# Altium PCB Mynd_Main.PcbDoc (part 1 of 5)
Units mm, origin at the board's own origin, x right, y up, seen from the top; angles counter-clockwise.
Board outline 75 x 136 mm, 4 copper layers (Component Side, Mid Layer 1, Mid Layer 2, Solder Side), stack 1.58 mm thick; 561 components, 261 nets, 1529 pads, 1417 vias.
Unrouted connection lines stored in the file: 7.
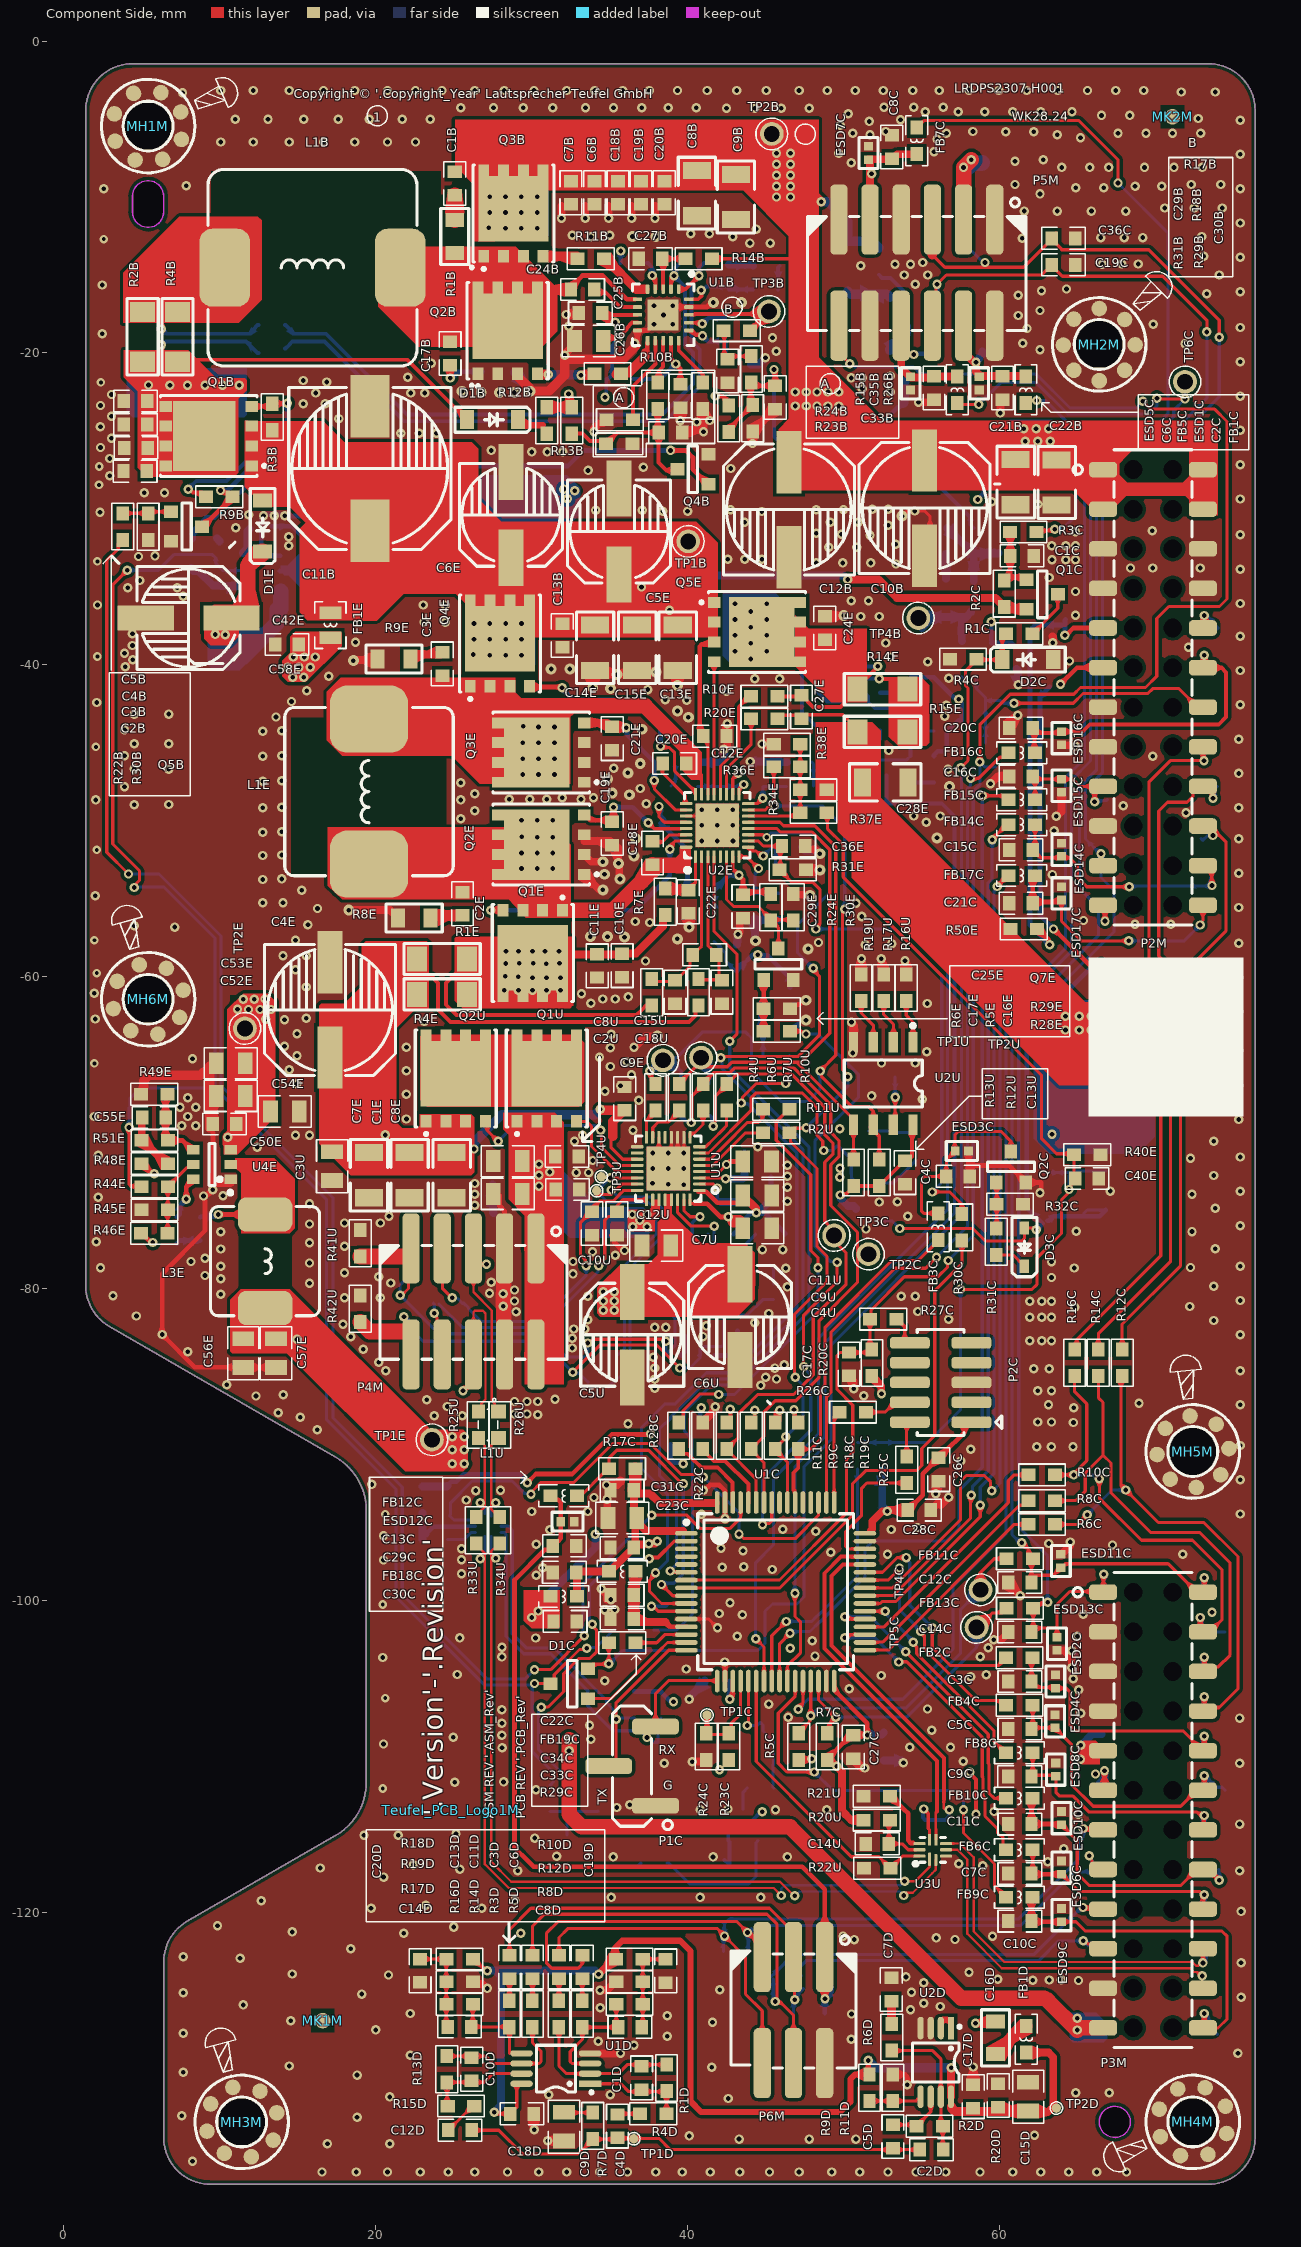
[diagram p0: Component Side view]
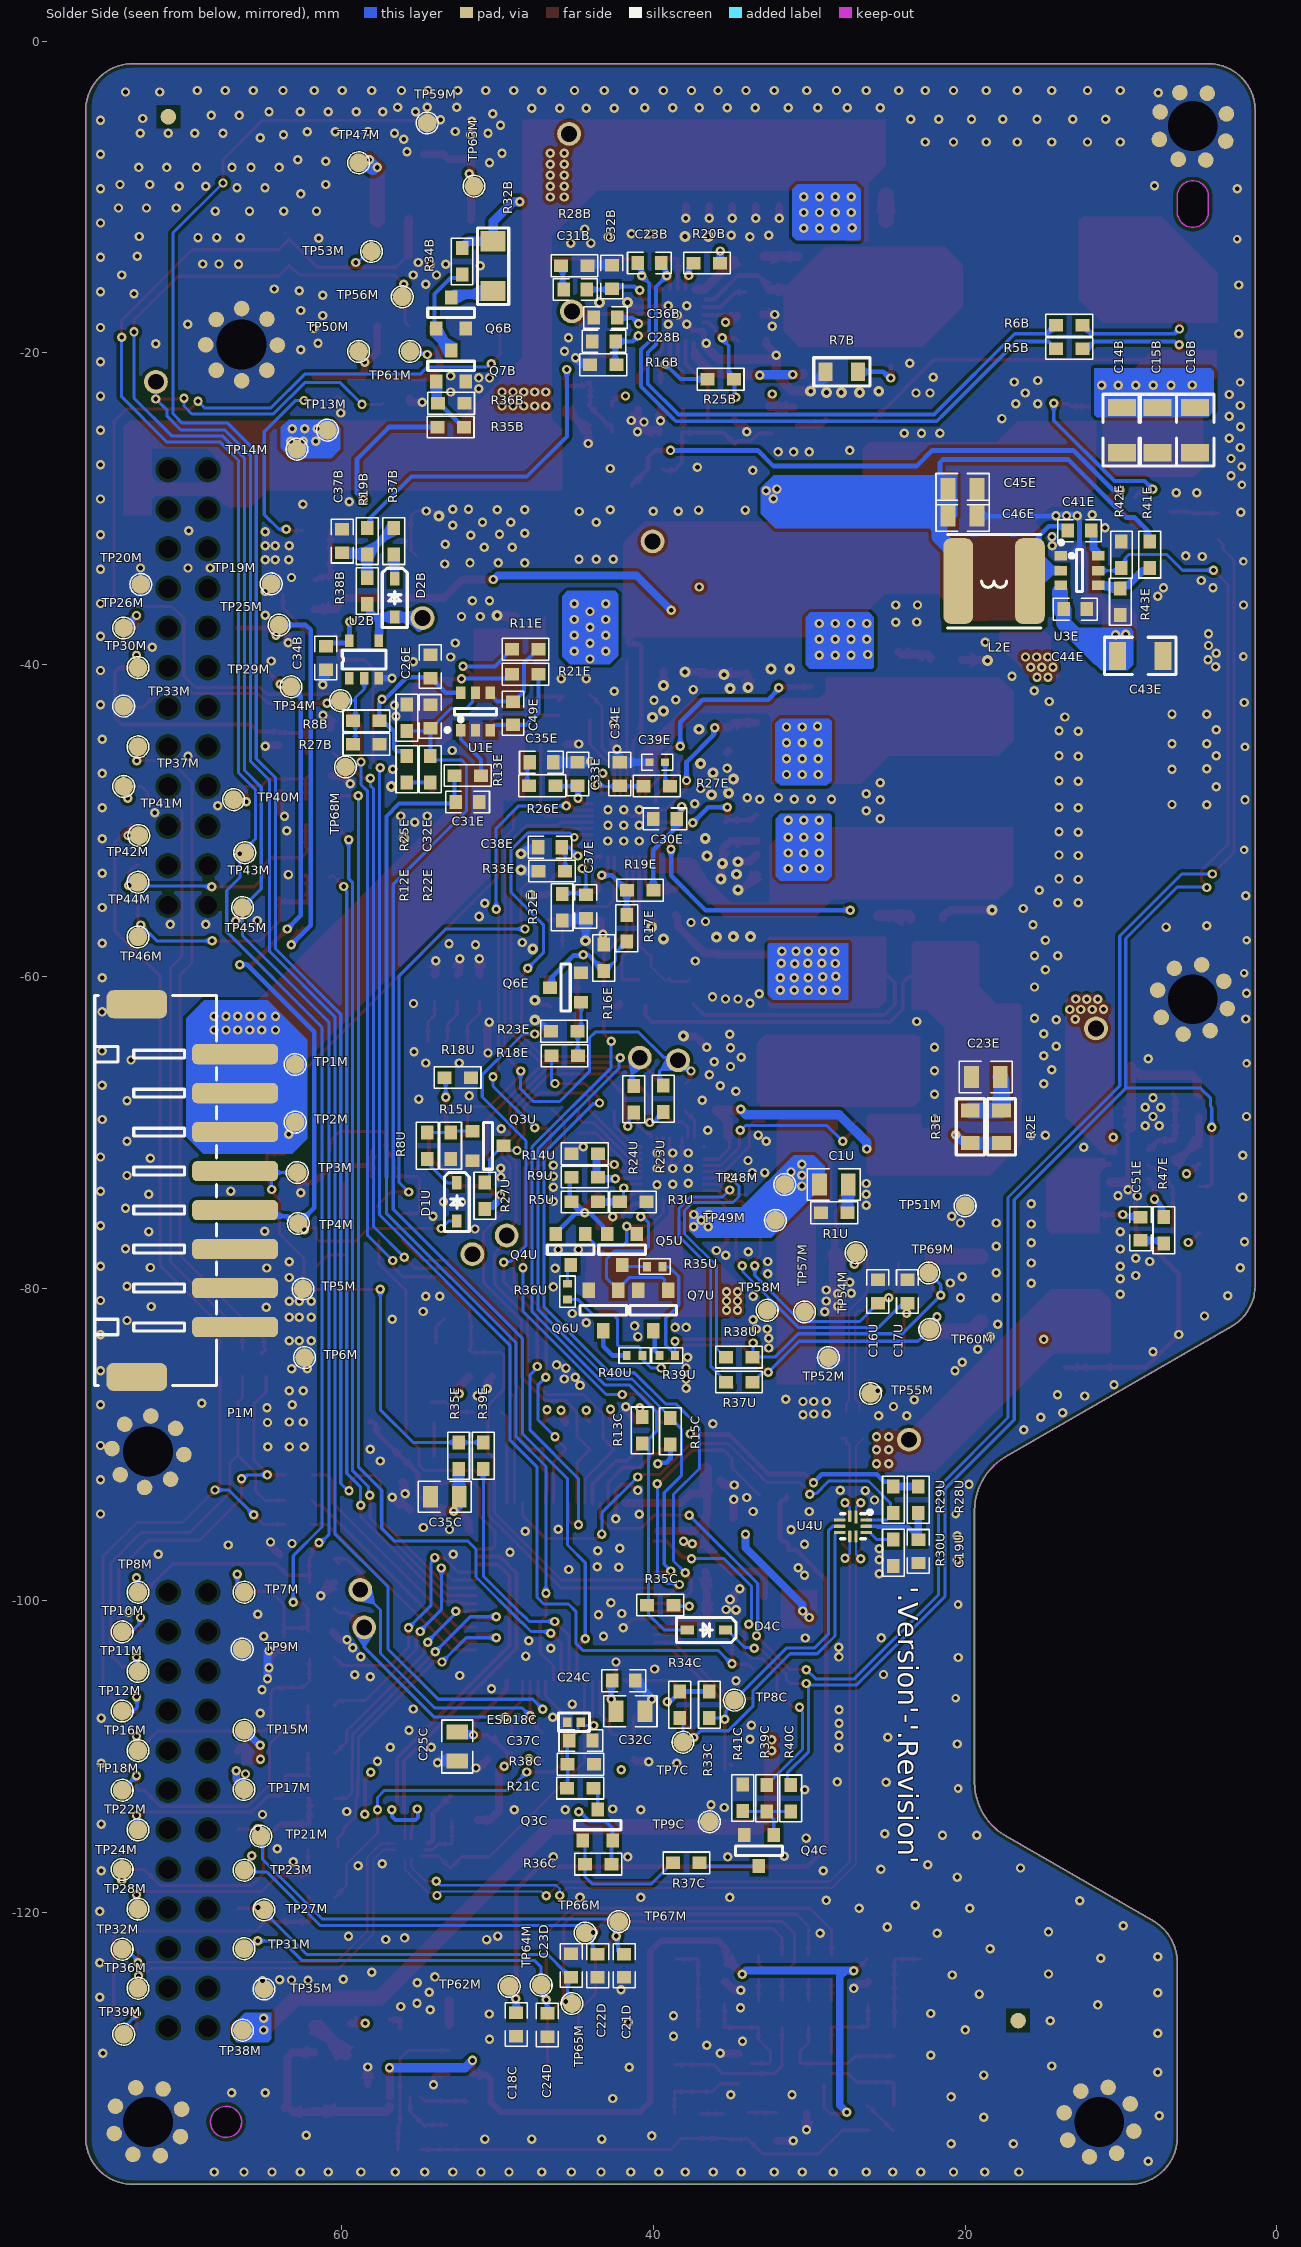
[diagram p1: Solder Side view, seen from below]
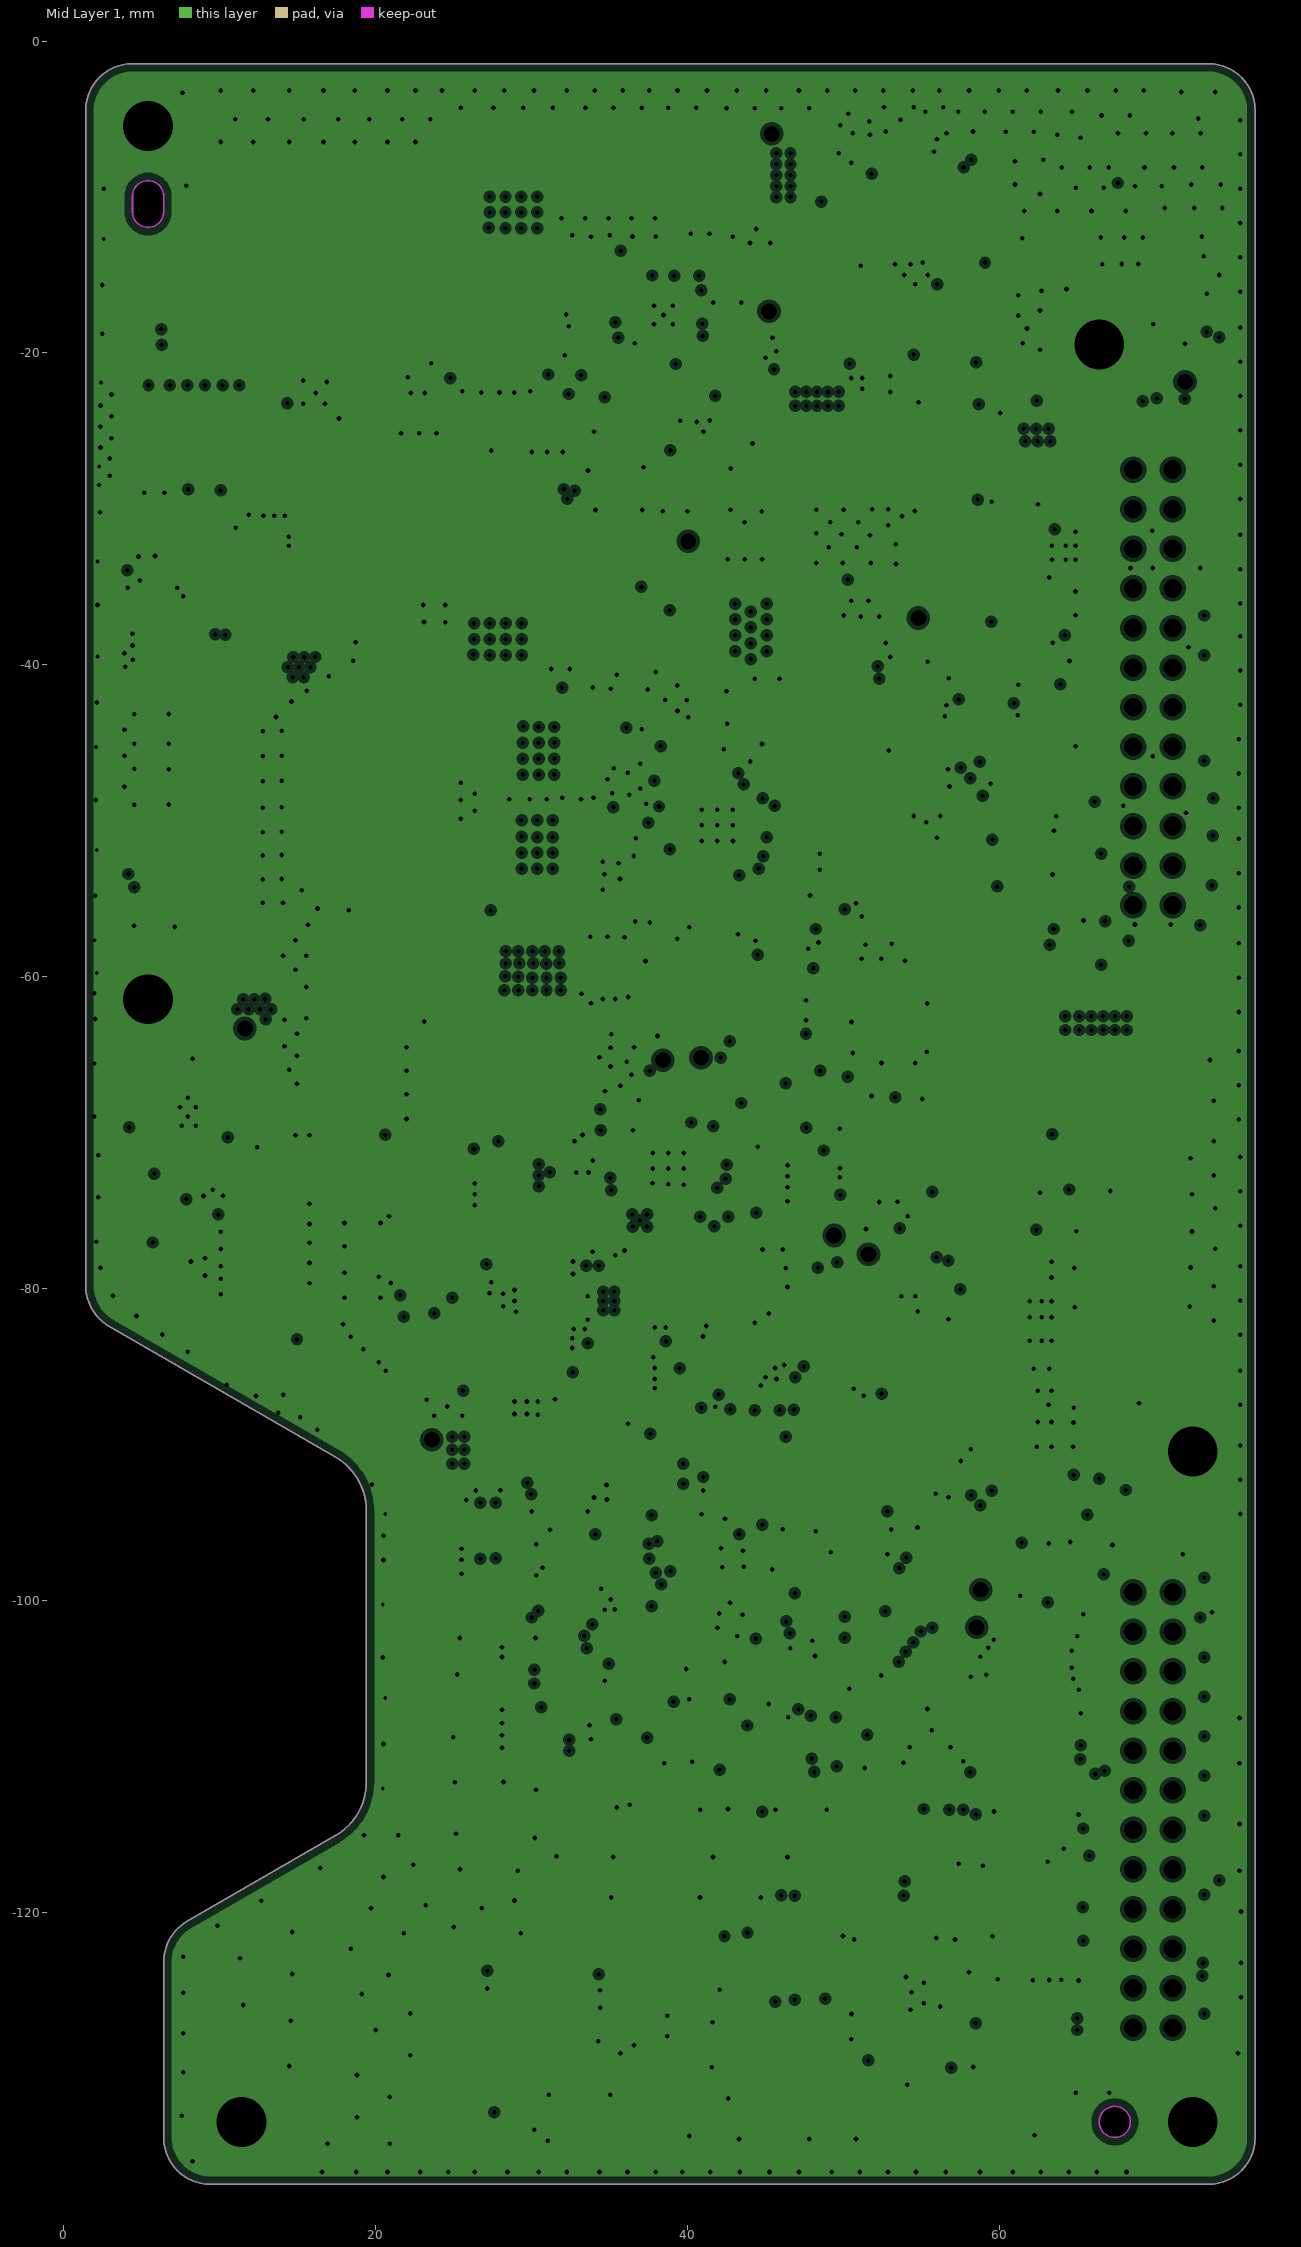
[diagram p2: Mid Layer 1, clearances drawn from the general rule]
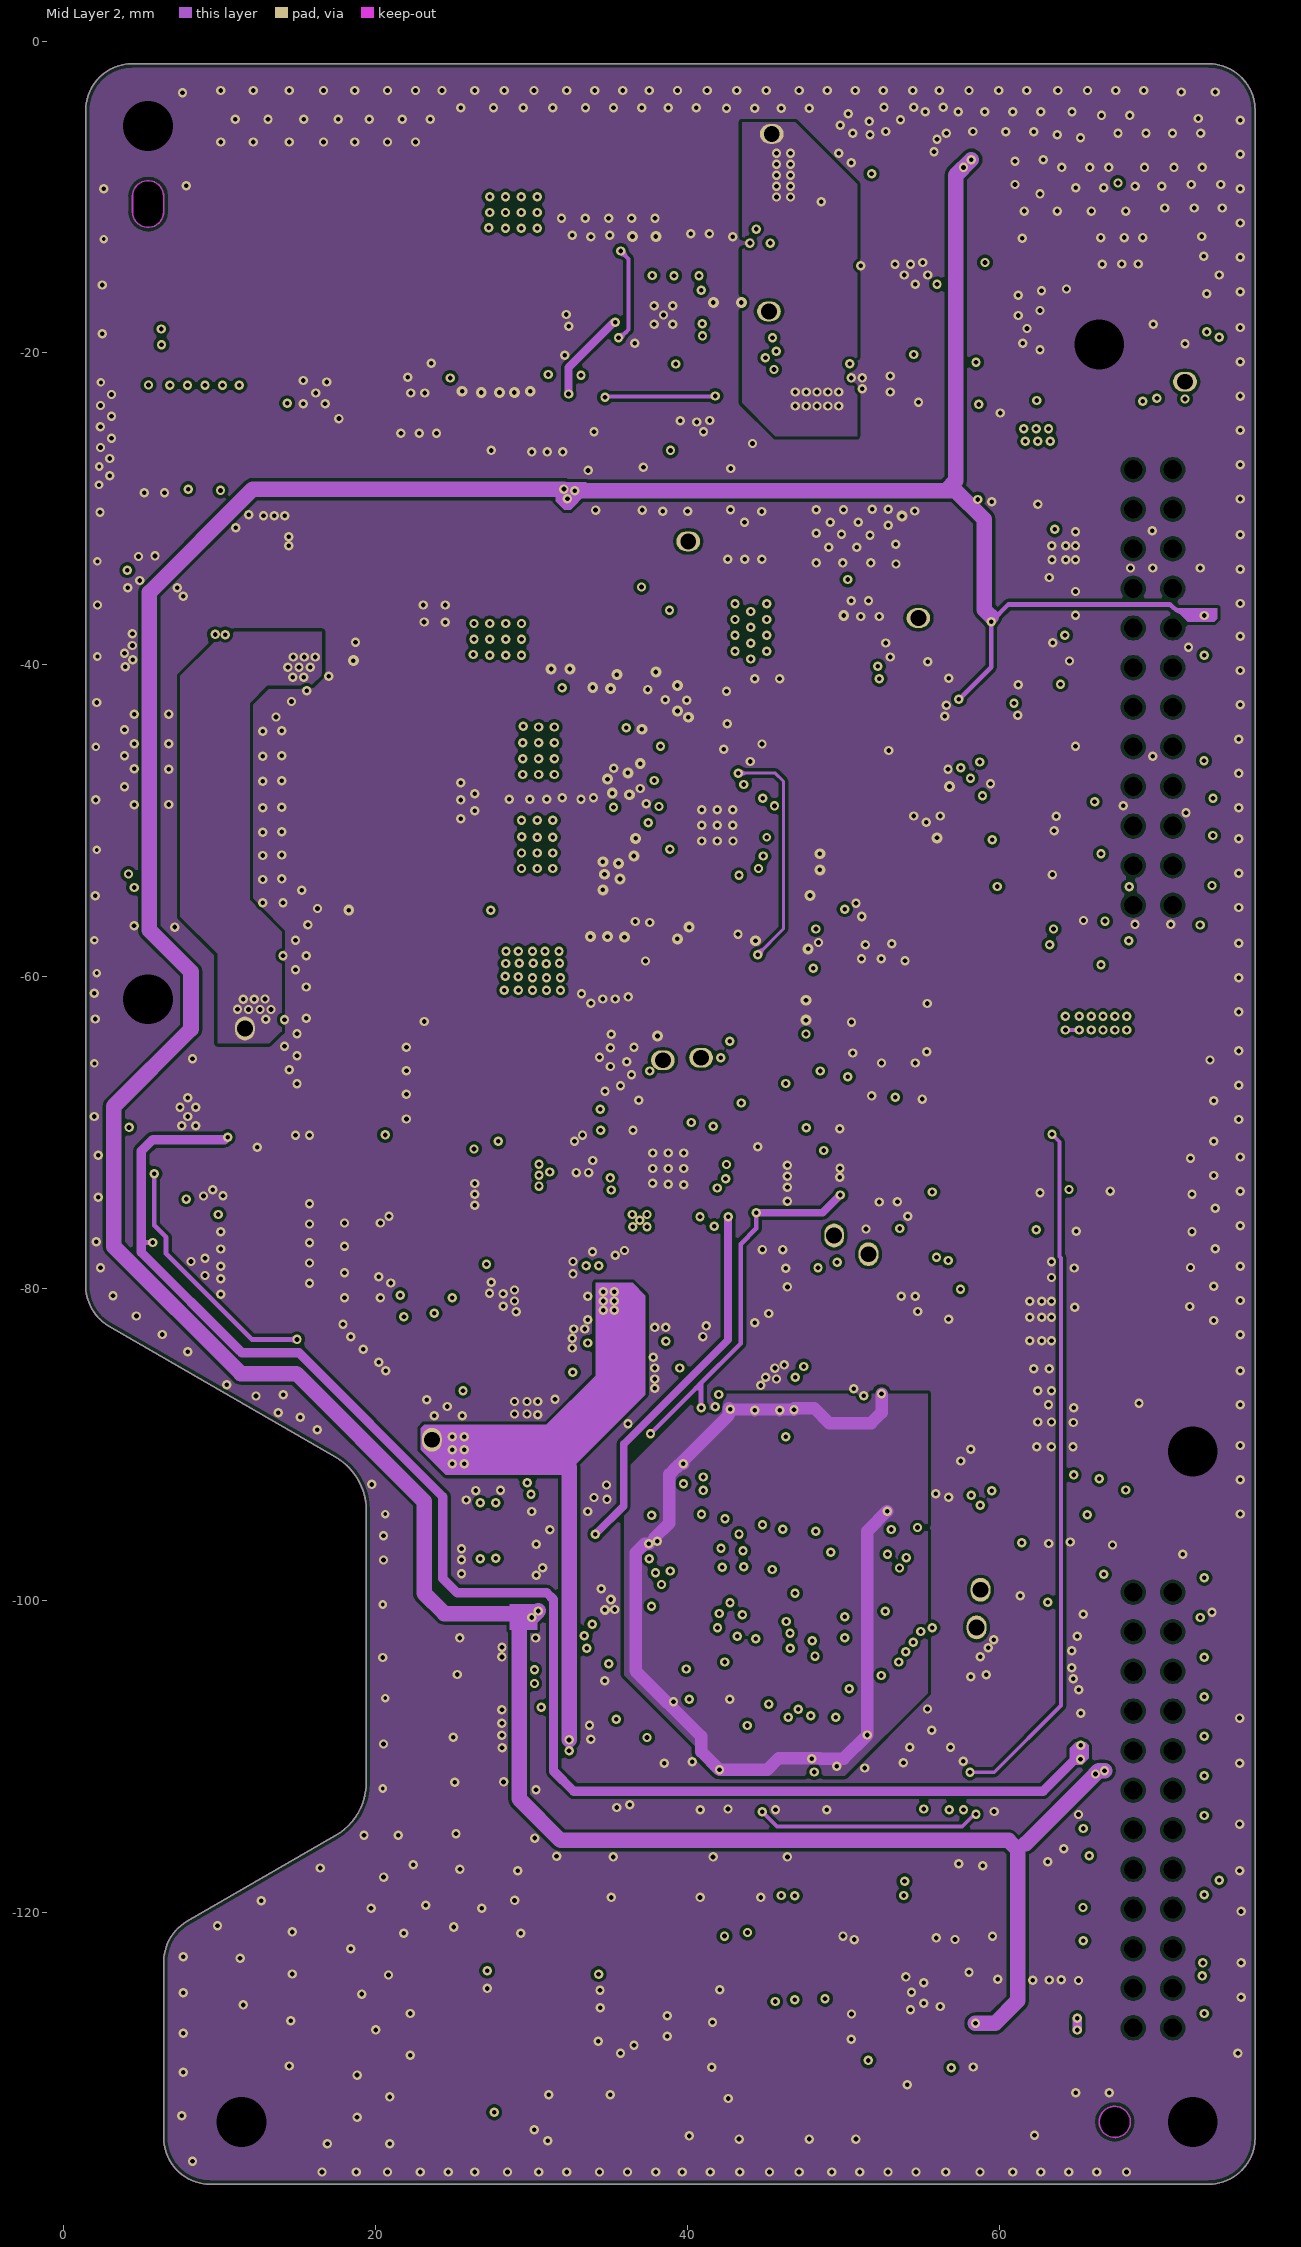
[diagram p3: Mid Layer 2]
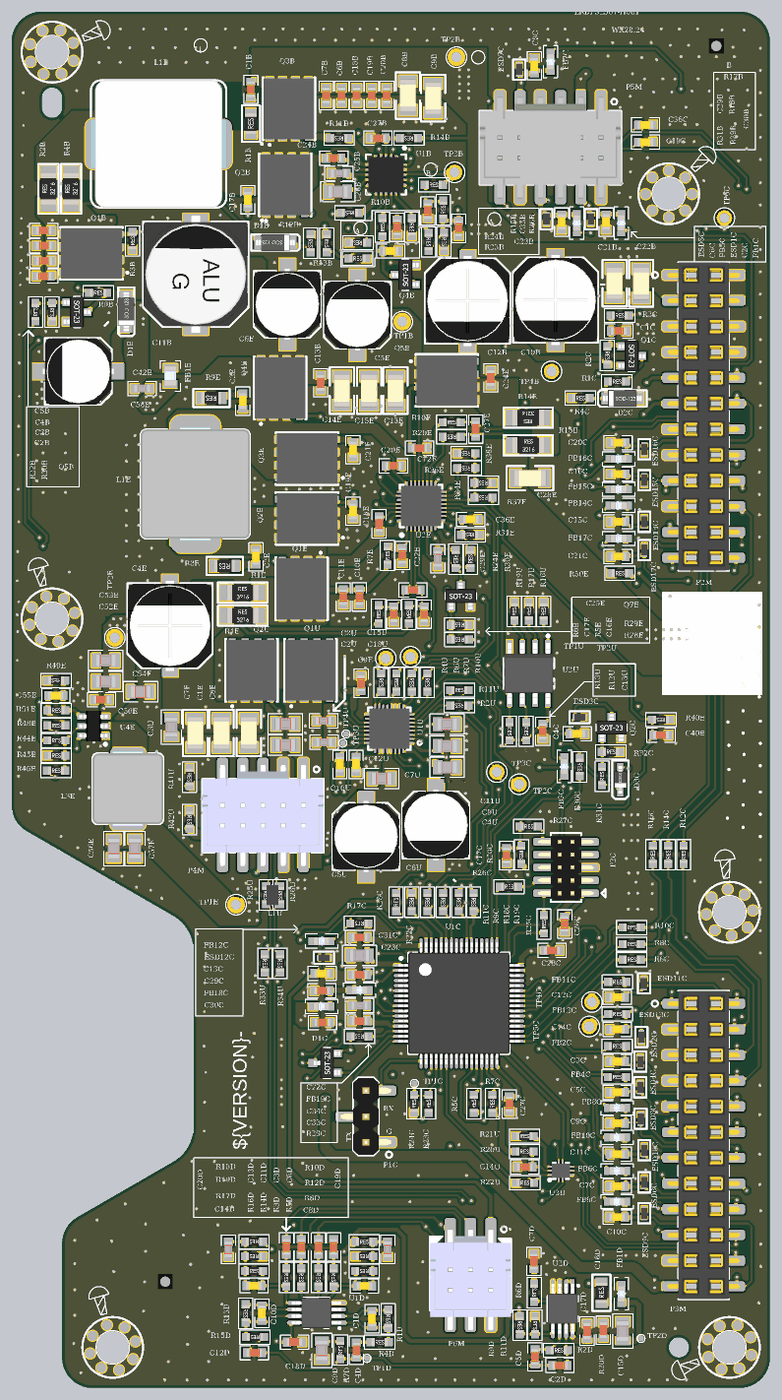
[diagram p8: 3D render of the assembled board from above, using the file's embedded part models]
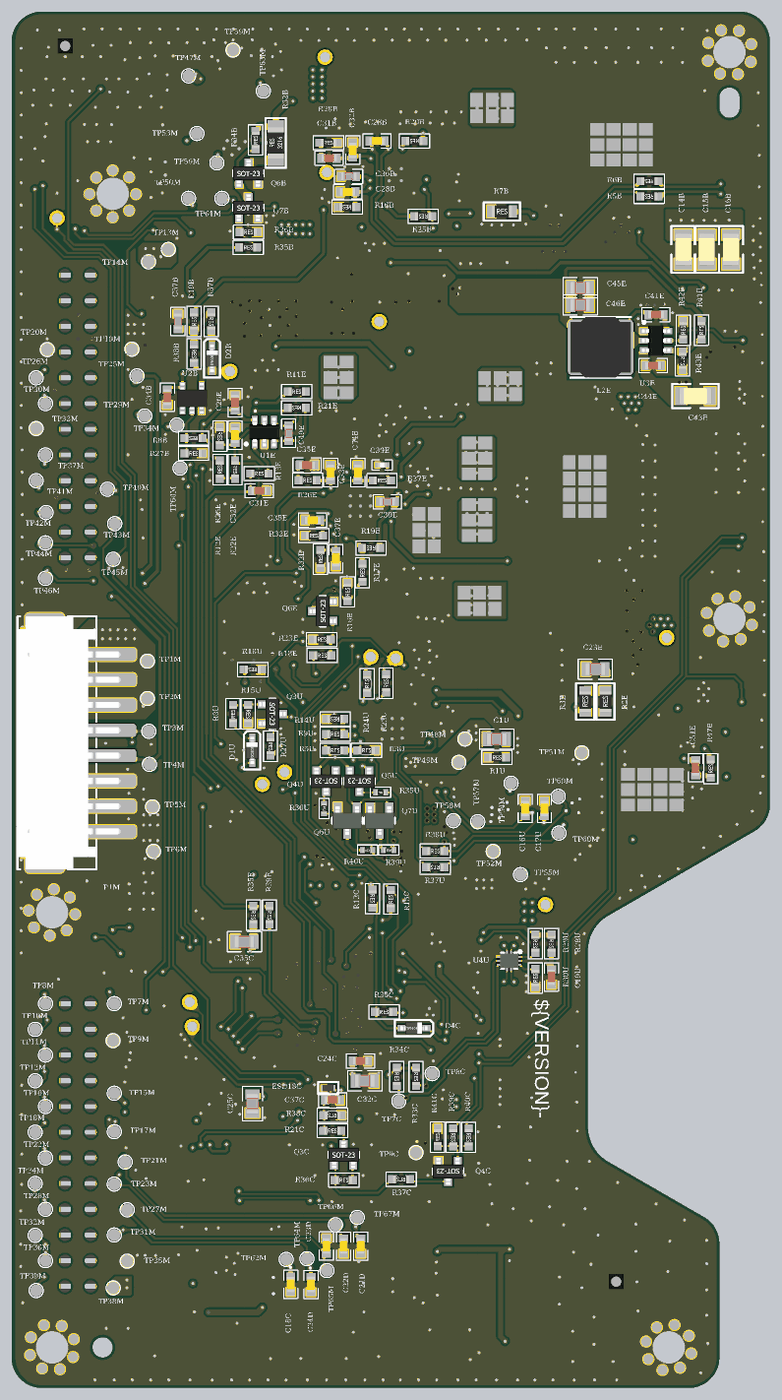
[diagram p9: 3D render of the assembled board from below, using the file's embedded part models]

## Layer stack, top to bottom
Top Solder: solder mask 0.0102, Solder Resist, Dk 3.5
Component Side: signal copper 0.035
Dielectric 1: prepreg 0.0711, PP-006, Dk 4.1
Mid Layer 1: plane copper 0.035, net GND
Dielectric1: core 1.2974, FR-4, Dk 4.2
Mid Layer 2: signal copper 0.035
Dielectric 2: prepreg 0.0711, PP-006, Dk 4.1
Solder Side: signal copper 0.035
Bottom Solder: solder mask 0.0102, Solder Resist, Dk 3.5

## Board outline
2.9,-82.424 cw(c4.4,-79.826) 1.4,-79.826 1.4,-4.45 cw(c4.4,-4.45) 4.4,-1.45 73.4,-1.45 cw(c73.4,-4.45) 76.4,-4.45 76.4,-134.45 cw(c73.4,-134.45) 73.4,-137.45 9.4,-137.45 cw(c9.4,-134.45) 6.4,-134.45 6.4,-123.188 cw(c9.4,-123.188) 7.9,-120.59 17.4,-115.105 ccw(c15.4,-111.641) 19.4,-111.641 19.4,-94.259 ccw(c15.4,-94.259) 17.4,-90.795
cut-out: 67.4,-134.45 cw(c67.4,-133.45) 66.4,-133.45 cw(c67.4,-133.45) 67.4,-132.45 cw(c67.4,-133.45) 68.4,-133.45 cw(c67.4,-133.45)
cut-out: 4.4,-10.95 4.4,-9.95 cw(c5.4,-9.95) 6.4,-9.95 6.4,-10.95 cw(c5.4,-10.95)

## Design rules (kind name [scope] priority, off if disabled: settings)
AssemblyTestPointUsage [HasFootprint('PAD-NDK-06')] p1:
AssemblyTestpoint [HasFootprint('PAD-NDK-06')] p1: testpointundercomponent=TRUE minsize=1.016 maxsize=2.54 preferedsize=1.524 minholesize=0 maxholesize=1.016 preferedholesize=0.813 testpointgrid=0.025 usegrid=TRUE gridtolerance=0 allowsidetop=TRUE allowsidebottom=TRUE
Clearance Clearance_room [WithinRoom('USB_3U3')] p1: gap=0.15 ignorepadtopadclearanceinfootprint=FALSE
Clearance [All] p2: gap=0.18 ignorepadtopadclearanceinfootprint=FALSE except(0.2: Arc-Fill Arc-Poly Arc-Region Track-Fill Track-Poly Track-Region SMDPad-Fill SMDPad-Poly SMDPad-Region THPad-Fill THPad-Poly THPad-Region Via-Fill Via-Poly Via-Region Fill-Fill Fill-Poly Fill-Region Poly-Poly Poly-Region Region-Region)
Clearance Clearance_Poly [OnLayer('Mid Layer 2') vs InPolygon] p3: gap=0.25 ignorepadtopadclearanceinfootprint=FALSE // Protel DXP Scope 1 Expression Was: InPoly
ComponentClearance ComponentClearance_Testpoint [InComponent('TP*')] p1: gap=0 collisioncheckmode=3 verticalgap=0.254 showdistances=FALSE
ComponentClearance ComponentClearance_1 [All] p2: gap=0.2 collisioncheckmode=3 verticalgap=0.254 showdistances=FALSE
DiffPairsRouting [All] p1: maxlimit=0.254 minlimit=0.254 mostfreqgap=0.254 toplayer_minwidth=0.15 toplayer_maxwidth=0.15 toplayer_prefwidth=0.15 midlayer1_minwidth=0.15 midlayer1_maxwidth=0.15 midlayer1_prefwidth=0.15 bottomlayer_minwidth=0.15 bottomlayer_maxwidth=0.15 bottomlayer_prefwidth=0.15 maxuncoupledlength=12.7 // Protel DXP Scope 1 Expression Was: InDifferentialPairClass('USB_HS_LINES')
FabricationTestpoint [All] p1: side=3 testpointundercomponent=TRUE minsize=0.5 maxsize=2.54 preferedsize=1.524 minholesize=0 maxholesize=1.016 preferedholesize=0.813 testpointgrid=0.025 allowsidetop=TRUE allowsidebottom=TRUE usegrid=TRUE gridtolerance=0
FanoutControl Fanout_LCC [All] p1 off: bgadir=Out bgaviamode=Centered fanoutstyle=Auto fanoutdirection=Alternating viagrid=0.025 // Protel DXP Scope 1 Expression Was: IsLCC   Fanout_LCC (Default Rule)
FanoutControl Fanout_BGA [All] p2 off: bgadir=Out bgaviamode=Centered fanoutstyle=Auto fanoutdirection=Alternating viagrid=0.025 // Protel DXP Scope 1 Expression Was: IsBGA   Fanout_BGA (Default Rule)
FanoutControl Fanout_SOIC [All] p3 off: bgadir=Out bgaviamode=Centered fanoutstyle=Auto fanoutdirection=Alternating viagrid=0.025 // Protel DXP Scope 1 Expression Was: IsSOIC   Fanout_SOIC (Default Rule)
FanoutControl Fanout_Default [All] p4: bgadir=Out bgaviamode=Centered fanoutstyle=Auto fanoutdirection=Alternating viagrid=0.025 // Fanout_Default (Default Rule)
FanoutControl Fanout_Small [All] p5 off: bgadir=Out bgaviamode=Centered fanoutstyle=Auto fanoutdirection=Alternating viagrid=0.025 // Protel DXP Scope 1 Expression Was: (CompPinCount < 5)   Fanout_Small (Default Rule)
HoleSize [All] p1: absolutevalues=TRUE maxlimit=8 minlimit=0.2 maxpercent=80.000 minpercent=20.000
PlaneClearance [All] p1: clearance=0.25
PlaneConnect [All] p1: planeconnectstyle=Direct reliefexpansion=0.508 reliefentries=4 reliefconductorwidth=0.5 reliefairgap=0.254
PolygonConnect [All] p1: connectstyle=Direct reliefconductorwidth=0.5 reliefentries=4 polygonreliefangle="45 Angle" airgapwidth=0.254
RoutingVias [All] p1: holewidth=0.3 width=0.7 viastyle="Through Hole" minholewidth=0.25 minwidth=0.5 maxholewidth=6 maxwidth=8
ShortCircuit ShortCircuit_Antenna [InNet('ANTENNA')] p2: allowed=TRUE
SilkToSolderMaskClearance [All] p1 off: minsilkscreentomaskgap=0.254 clearancetoexposedcopper=TRUE // Protel DXP Scope 1 Expression Was: IsPad
SolderMaskExpansion [All] p1: expansion=0.102 istentingtop=FALSE
Width [All] p1: maxlimit=20 minlimit=0.18 preferedwidth=0.2
16 further rules are at their usual default settings.

## Classes and differential pairs
component class U_Boost: C1B C2B C3B C4B C5B C6B C7B C8B C9B C10B C11B C12B C13B C14B C15B C16B C17B C18B C19B C20B C21B C22B C23B C24B C25B C26B C27B C28B C29B C30B C31B C32B C33B C34B C35B C36B C37B D1B D2B L1B Q1B Q2B Q3B Q4B Q5B Q6B Q7B R1B R2B R3B R4B R5B R6B R7B R8B R9B R10B R11B R12B R13B R14B R15B R16B R17B R18B R19B R20B R22B R23B R24B R25B R26B R27B R28B R29B R30B R31B R32B R34B R35B R36B R37B R38B TP1B TP2B TP3B TP4B U1B U2B
component class U_MCU: C1C C2C C3C C4C C5C C6C C7C C8C C9C C10C C11C C12C C13C C14C C15C C16C C17C C18C C19C C20C C21C C22C C23C C24C C25C C26C C27C C28C C29C C30C C31C C32C C33C C34C C35C C36C C37C D1C D2C D3C D4C ESD1C ESD2C ESD3C ESD4C ESD5C ESD6C ESD7C ESD8C ESD9C ESD10C ESD11C ESD12C ESD13C ESD14C ESD15C ESD16C ESD17C ESD18C FB1C FB2C FB3C FB4C FB5C FB6C FB7C FB8C FB9C FB10C FB11C FB12C FB13C FB14C FB15C FB16C FB17C FB18C FB19C P1C P2C Q1C Q2C Q3C Q4C R1C R2C R3C R4C R5C R6C R7C R8C R9C R10C R11C R12C R13C R14C R15C R16C R17C R18C R19C R20C R21C R22C R23C R24C R25C R26C R27C R28C R29C R30C R31C R32C R33C R34C R35C R36C R37C R38C R39C R40C R41C TP1C TP2C TP3C TP4C TP5C TP6C TP7C TP8C TP9C U1C
component class U_AudioDet: C1D C2D C3D C4D C5D C6D C7D C8D C9D C10D C11D C12D C13D C14D C15D C16D C17D C18D C19D C20D C21D C22D C23D C24D FB1D R1D R2D R3D R4D R5D R6D R7D R8D R9D R10D R11D R12D R13D R14D R15D R16D R17D R18D R19D R20D TP1D TP2D U1D U2D
component class U_USB: C1U C2U C3U C4U C5U C6U C7U C8U C9U C10U C11U C12U C13U C14U C15U C16U C17U C18U C19U D1U L1U Q1U Q2U Q3U Q4U Q5U Q6U Q7U R1U R2U R3U R4U R5U R6U R7U R8U R9U R10U R11U R12U R13U R14U R15U R16U R17U R18U R19U R20U R21U R22U R23U R24U R25U R26U R27U R28U R29U R30U R33U R34U R35U R36U R37U R38U R39U R40U R41U R42U TP1U TP2U TP3U TP4U U1U U2U U3U U4U
component class U_Charger_BQ25713: C1E C2E C3E C4E C5E C6E C7E C8E C9E C10E C11E C12E C13E C14E C15E C16E C17E C18E C19E C20E C21E C22E C23E C24E C25E C26E C27E C28E C29E C30E C31E C32E C33E C34E C35E C36E C37E C38E C39E C40E C41E C42E C43E C44E C45E C46E C49E C50E C51E C52E C53E C54E C55E C56E C57E C58E D1E FB1E L1E L2E L3E Q1E Q2E Q3E Q4E Q5E Q6E Q7E R1E R2E R3E R4E R5E R6E R7E R8E R9E R10E R11E R12E R13E R14E R15E R16E R17E R18E R19E R20E R21E R22E R23E R24E R25E R26E R27E R28E R29E R30E R31E R32E R33E R34E R35E R36E R37E R38E R39E R40E R41E R42E R43E R44E R45E R46E R47E R48E R49E R50E R51E TP1E TP2E U1E U2E U3E U4E
component class Mynd_Main: MH1M MH2M MH3M MH4M MH5M MH6M MK1M MK2M P1M P2M P3M P4M P5M P6M Teufel_ASM_Label1M Teufel_Copyright1M Teufel_PCB_Label1M Teufel_PCB_Logo1M TP1M TP2M TP3M TP4M TP5M TP6M TP7M TP8M TP9M TP10M TP11M TP12M TP13M TP14M TP15M TP16M TP17M TP18M TP19M TP20M TP21M TP22M TP23M TP24M TP25M TP26M TP27M TP28M TP29M TP30M TP31M TP32M TP33M TP34M TP35M TP36M TP37M TP38M TP39M TP40M TP41M TP42M TP43M TP44M TP45M TP46M TP47M TP48M TP49M TP50M TP51M TP52M TP53M TP54M TP55M TP56M TP57M TP58M TP59M TP60M TP61M TP62M TP63M TP64M TP65M TP66M TP67M TP68M TP69M
differential pair USB_BJ: +USB_BJ_P -USB_BJ_N
differential pair USB_AJ: +USB_AJ_P -USB_AJ_N
differential pair USB_M: +USB_M_P -USB_M_N
differential pair USB_J: +USB_J_P -USB_J_N
differential pair USB_B: +USB_B_P -USB_B_N
